# KiCad board panel-artist-27-purple.kicad_pcb
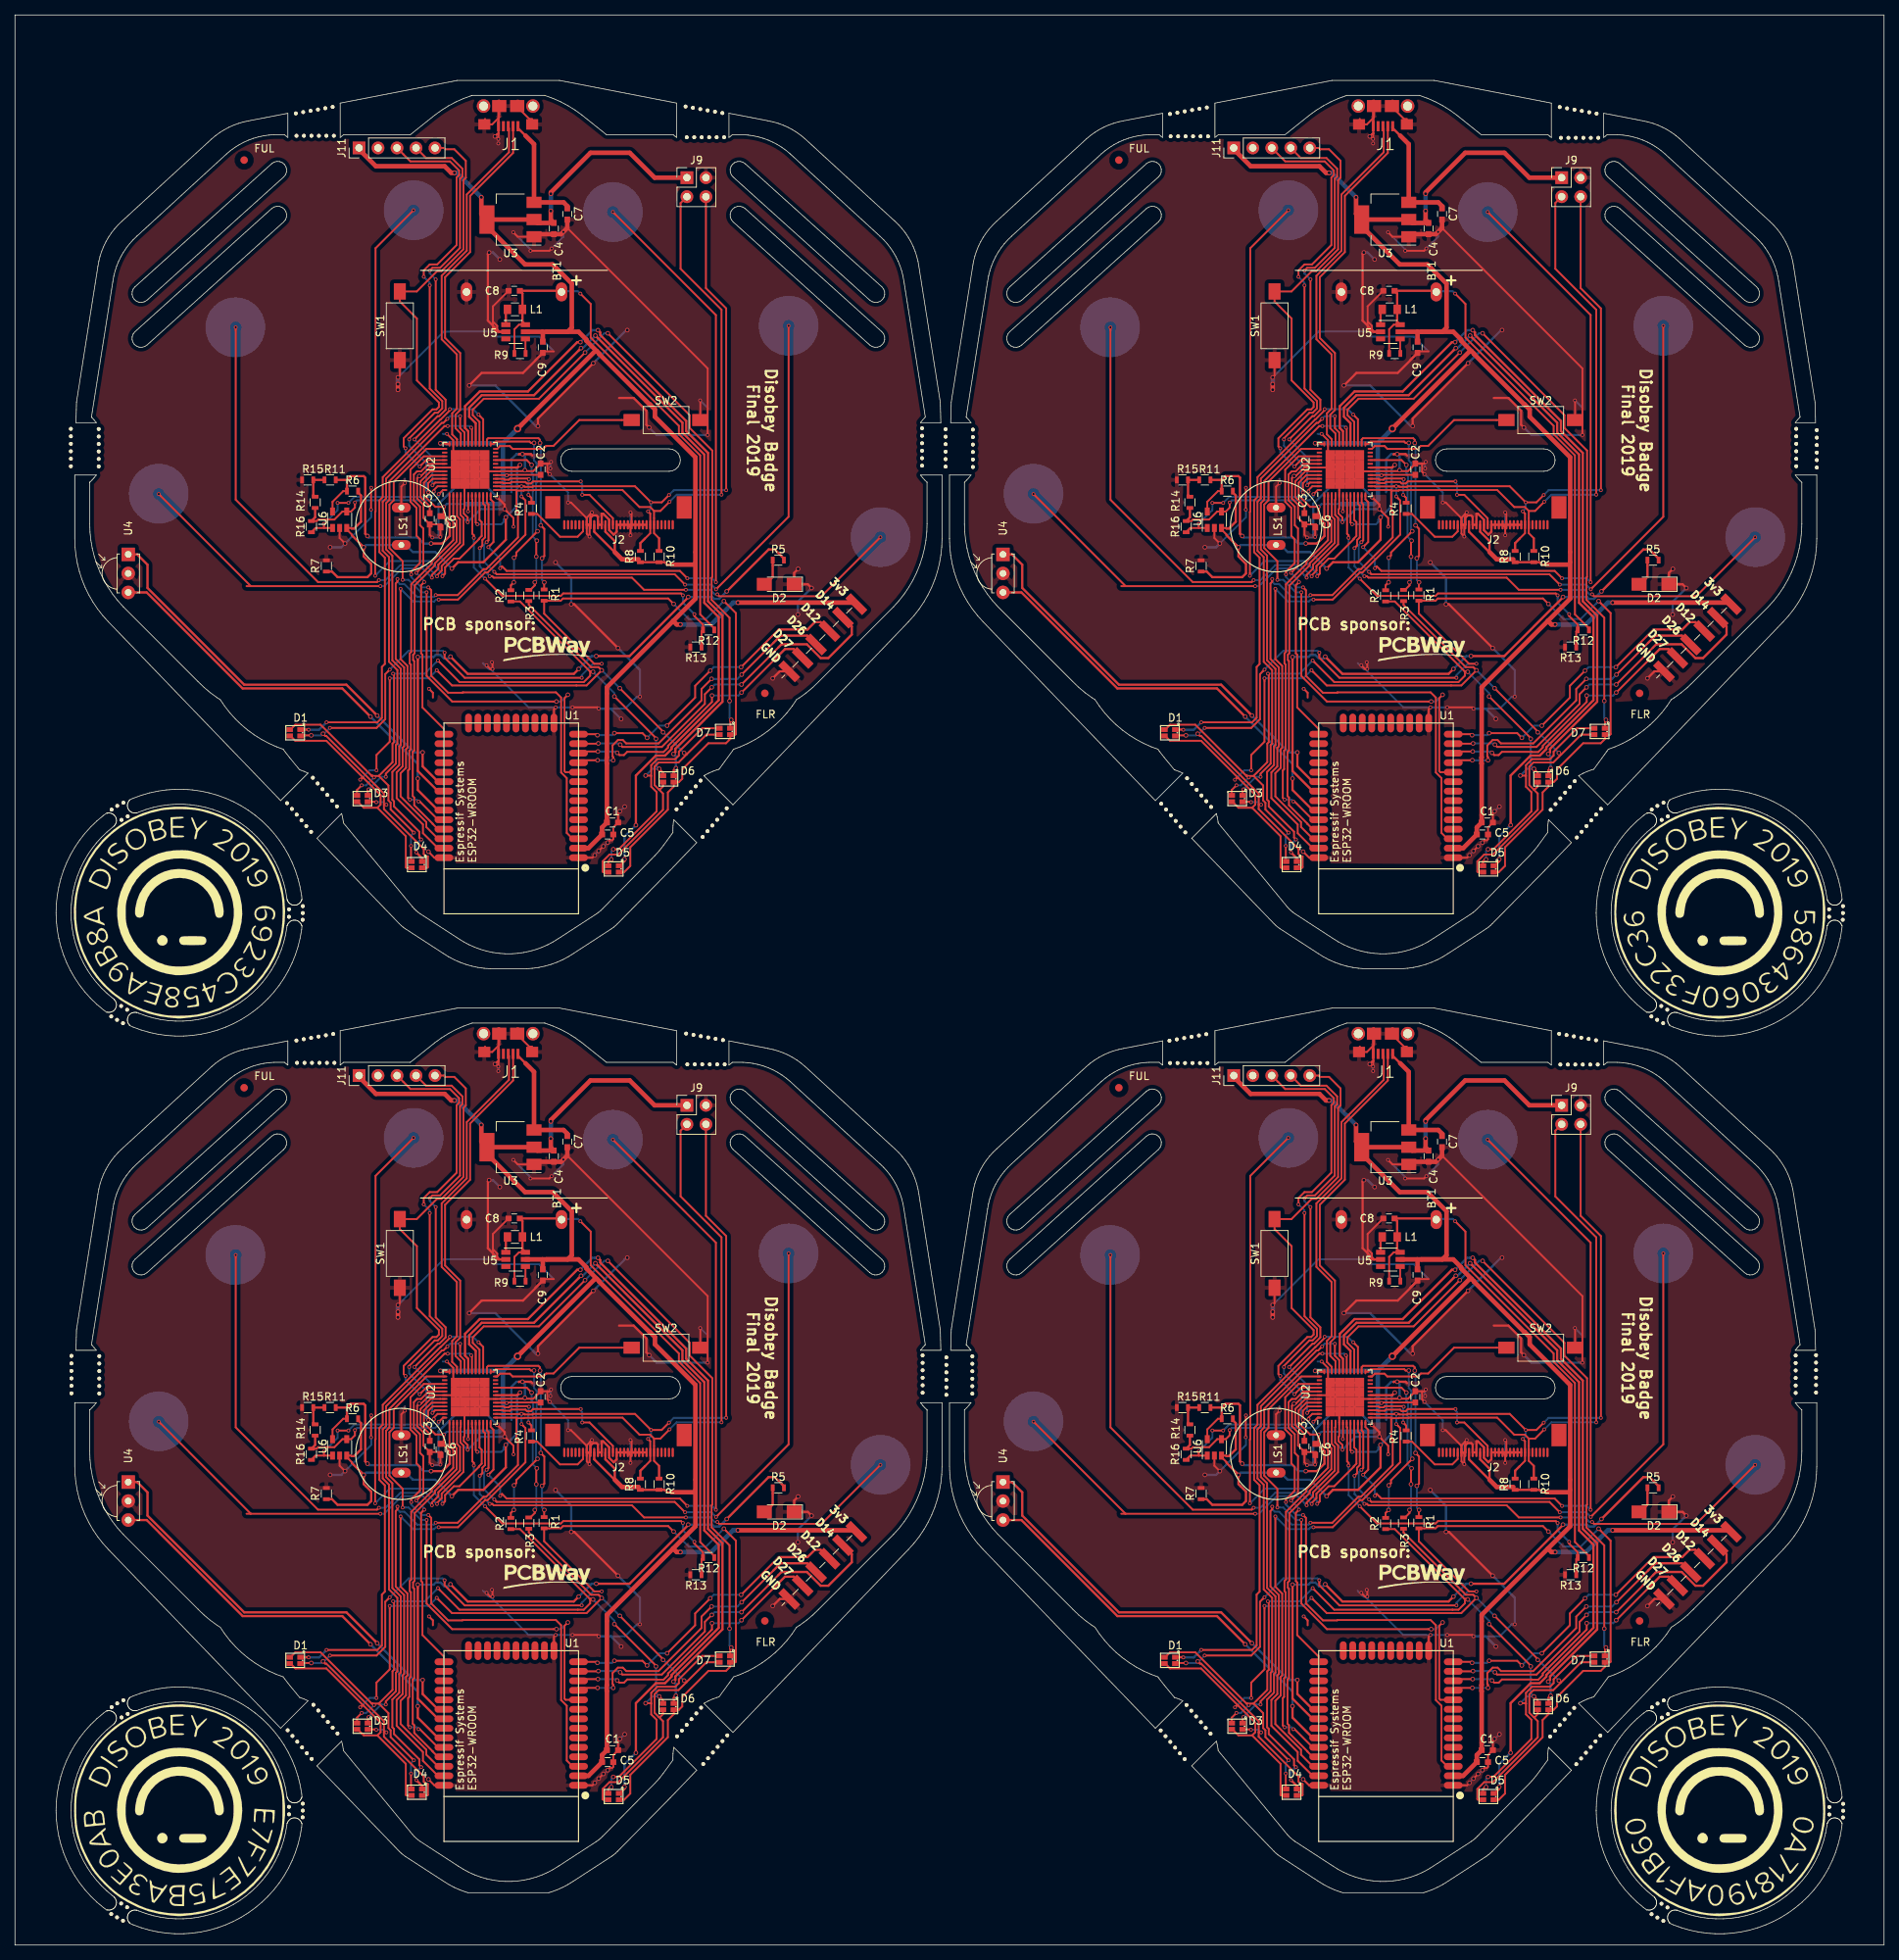
[diagram p0: board, top side]
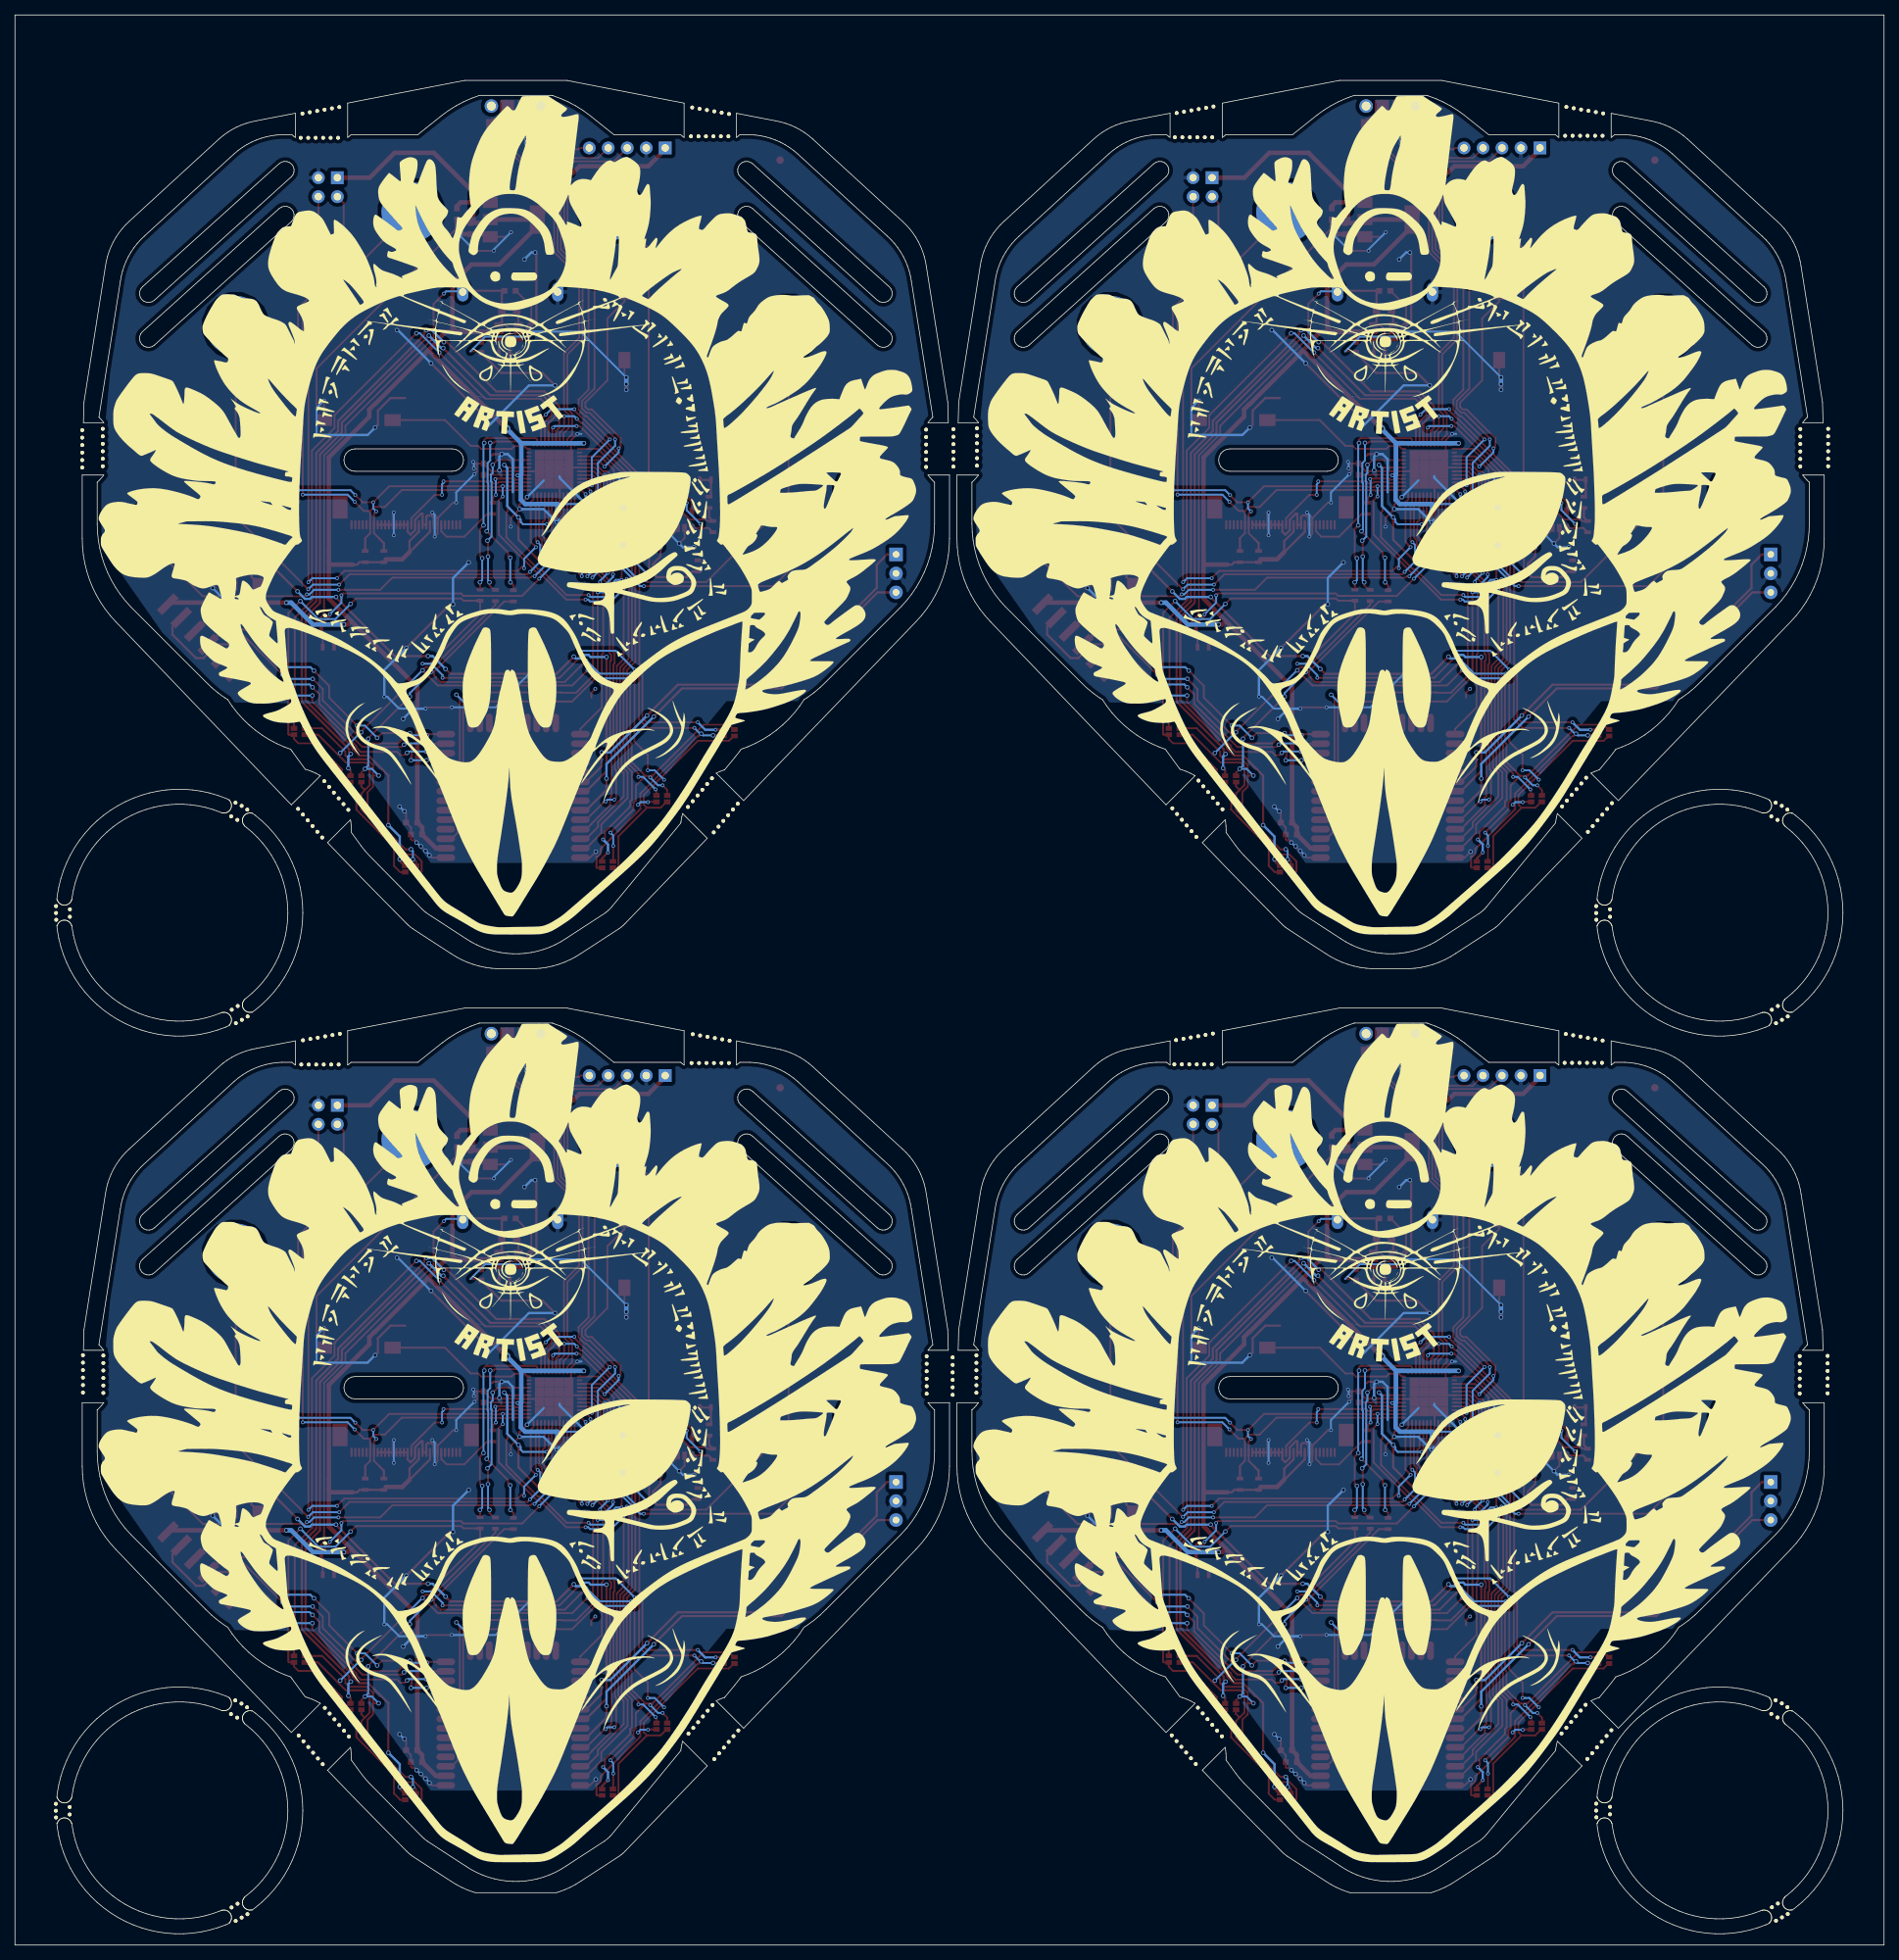
[diagram p1: board, bottom side, seen from below]

Outline 250 x 258 mm; copper layers: Top, Bottom. Coordinates in mm from the lower left corner of the outline.

## Placement (name value [footprint] x y rotation side)
BT1  Battery  [AAAx2holder]  66.75 197.36 90 top
BT1#2  Battery  [AAAx2holder]  183.75 197.36 90 top
BT1#3  Battery  [AAAx2holder]  66.75 73.36 90 top
BT1#4  Battery  [AAAx2holder]  183.75 73.36 90 top
C1  10u  [C_0603]  79.93 150.05 0 top
C1#2  10u  [C_0603]  196.93 150.05 0 top
C1#3  10u  [C_0603]  79.93 26.05 0 top
C1#4  10u  [C_0603]  196.93 26.05 0 top
C2  10u  [C_0603]  70.3 197.28 90 top
C2#2  10u  [C_0603]  187.3 197.28 90 top
C2#3  10u  [C_0603]  70.3 73.27 90 top
C2#4  10u  [C_0603]  187.3 73.27 90 top
C3  10u  [C_0603]  55.48 190.65 270 top
C3#2  10u  [C_0603]  172.48 190.65 270 top
C3#3  10u  [C_0603]  55.48 66.65 270 top
C3#4  10u  [C_0603]  172.48 66.65 270 top
C4  10u  [C_0603]  72.08 229.45 270 top
C4#2  10u  [C_0603]  189.08 229.45 270 top
C4#3  10u  [C_0603]  72.08 105.45 270 top
C4#4  10u  [C_0603]  189.08 105.45 270 top
C5  10u  [C_0603]  79.28 148.45 0 top
C5#2  10u  [C_0603]  196.28 148.45 0 top
C5#3  10u  [C_0603]  79.28 24.45 0 top
C5#4  10u  [C_0603]  196.28 24.45 0 top
C6  10u  [C_0603]  56.93 190.25 270 top
C6#2  10u  [C_0603]  173.93 190.25 270 top
C6#3  10u  [C_0603]  56.93 66.25 270 top
C6#4  10u  [C_0603]  173.93 66.25 270 top
C7  10u  [C_0603]  73.88 231.4 270 top
C7#2  10u  [C_0603]  190.88 231.4 270 top
C7#3  10u  [C_0603]  73.88 107.4 270 top
C7#4  10u  [C_0603]  190.88 107.4 270 top
C8  10u  [C_0603]  66.78 221.12 180 top
C8#2  10u  [C_0603]  183.78 221.12 180 top
C8#3  10u  [C_0603]  66.78 97.12 180 top
C8#4  10u  [C_0603]  183.78 97.12 180 top
C9  10u  [C_0603]  70.6 213.57 270 top
C9#2  10u  [C_0603]  187.6 213.57 270 top
C9#3  10u  [C_0603]  70.6 89.57 270 top
C9#4  10u  [C_0603]  187.6 89.57 270 top
D1  LED_ARGB  [ARGB-0606]  37.48 162.05 0 top
D1#2  LED_ARGB  [ARGB-0606]  154.48 162.05 0 top
D1#3  LED_ARGB  [ARGB-0606]  37.48 38.05 0 top
D1#4  LED_ARGB  [ARGB-0606]  154.48 38.05 0 top
D2  LED_Small_ALT  [LED_1206_HandSoldering]  102.23 181.9 180 top
D2#2  LED_Small_ALT  [LED_1206_HandSoldering]  219.23 181.9 180 top
D2#3  LED_Small_ALT  [LED_1206_HandSoldering]  102.23 57.9 180 top
D2#4  LED_Small_ALT  [LED_1206_HandSoldering]  219.23 57.9 180 top
D3  LED_ARGB  [ARGB-0606]  46.48 153.25 0 top
D3#2  LED_ARGB  [ARGB-0606]  163.48 153.25 0 top
D3#3  LED_ARGB  [ARGB-0606]  46.48 29.25 0 top
D3#4  LED_ARGB  [ARGB-0606]  163.48 29.25 0 top
D4  LED_ARGB  [ARGB-0606]  53.75 144.43 0 top
D4#2  LED_ARGB  [ARGB-0606]  170.75 144.43 0 top
D4#3  LED_ARGB  [ARGB-0606]  53.75 20.42 0 top
D4#4  LED_ARGB  [ARGB-0606]  170.75 20.42 0 top
D5  LED_ARGB  [ARGB-0606]  80.08 143.85 0 top
D5#2  LED_ARGB  [ARGB-0606]  197.08 143.85 0 top
D5#3  LED_ARGB  [ARGB-0606]  80.08 19.85 0 top
D5#4  LED_ARGB  [ARGB-0606]  197.08 19.85 0 top
D6  LED_ARGB  [ARGB-0606]  87.4 155.88 0 top
D6#2  LED_ARGB  [ARGB-0606]  204.4 155.88 0 top
D6#3  LED_ARGB  [ARGB-0606]  87.4 31.88 0 top
D6#4  LED_ARGB  [ARGB-0606]  204.4 31.88 0 top
D7  LED_ARGB  [ARGB-0606]  94.95 162.22 0 top
D7#2  LED_ARGB  [ARGB-0606]  211.95 162.22 0 top
D7#3  LED_ARGB  [ARGB-0606]  94.95 38.22 0 top
D7#4  LED_ARGB  [ARGB-0606]  211.95 38.22 0 top
FLR  -  [Fiducial_1mm_Dia_2.54mm_Outer_CopperTop]  100.3 167.32 0 top
FLR#2  -  [Fiducial_1mm_Dia_2.54mm_Outer_CopperTop]  217.3 167.32 0 top
FLR#3  -  [Fiducial_1mm_Dia_2.54mm_Outer_CopperTop]  100.3 43.32 0 top
FLR#4  -  [Fiducial_1mm_Dia_2.54mm_Outer_CopperTop]  217.3 43.32 0 top
FUL  -  [Fiducial_1mm_Dia_2.54mm_Outer_CopperTop]  30.65 238.6 0 top
FUL#2  -  [Fiducial_1mm_Dia_2.54mm_Outer_CopperTop]  147.65 238.6 0 top
FUL#3  -  [Fiducial_1mm_Dia_2.54mm_Outer_CopperTop]  30.65 114.6 0 top
FUL#4  -  [Fiducial_1mm_Dia_2.54mm_Outer_CopperTop]  147.65 114.6 0 top
G***  -  [LOGO]  71.35 173.15 0 top
G***#2  -  [LOGO]  112.58 196.42 90 top
G***#3  -  [LOGO]  21.95 138.05 0 top
G***#4  -  [LOGO]  227.95 138.05 0 top
G***#5  -  [LOGO]  21.95 18.07 0 top
G***#6  -  [LOGO]  227.98 18.05 0 top
G***#7  -  [LOGO]  229.58 196.42 90 top
G***#8  -  [LOGO]  112.58 72.42 90 top
G***#9  -  [LOGO]  229.58 72.42 90 top
G***#10  -  [LOGO]  188.35 173.15 0 top
G***#11  -  [LOGO]  71.35 49.15 0 top
G***#12  -  [LOGO]  188.35 49.15 0 top
G***#13  LOGO  [coin-10]  21.95 138.07 0 top
G***#14  LOGO  [coin-11]  228.05 138.05 0 top
G***#15  LOGO  [coin-12]  22.03 18.07 0 top
G***#16  LOGO  [coin-13]  227.98 18.07 0 top
G***#17  -  [LOGO]  22 138 0 bottom
G***#18  -  [LOGO]  228 138 0 bottom
G***#19  -  [LOGO]  22 18.03 0 bottom
G***#20  -  [LOGO]  228.03 18 0 bottom
G***#21  LOGO  [artist]  67.15 191.12 180 bottom
G***#22  LOGO  [artist]  184.15 191.12 180 bottom
G***#23  LOGO  [artist]  67.15 67.12 180 bottom
G***#24  LOGO  [artist]  184.15 67.12 180 bottom
J1  USB_OTG  [MICROUSB]  65.98 247.27 180 top
J1#2  USB_OTG  [MICROUSB]  182.98 247.27 180 top
J1#3  USB_OTG  [MICROUSB]  65.98 123.27 180 top
J1#4  USB_OTG  [MICROUSB]  182.98 123.27 180 top
J2  Conn_01x30  [ER-CON30HB-1]  80.73 189.85 180 top
J2#2  Conn_01x30  [ER-CON30HB-1]  197.73 189.85 180 top
J2#3  Conn_01x30  [ER-CON30HB-1]  80.73 65.85 180 top
J2#4  Conn_01x30  [ER-CON30HB-1]  197.73 65.85 180 top
J3  TEST_1P  [Measurement_Point_Round-SMD-Pad_Big]  19.23 194 0 bottom
J3#2  TEST_1P  [Measurement_Point_Round-SMD-Pad_Big]  136.23 194 0 bottom
J3#3  TEST_1P  [Measurement_Point_Round-SMD-Pad_Big]  19.23 70 0 bottom
J3#4  TEST_1P  [Measurement_Point_Round-SMD-Pad_Big]  136.23 70 0 bottom
J4  TEST_1P  [Measurement_Point_Round-SMD-Pad_Big]  29.48 216.25 0 bottom
J4#2  TEST_1P  [Measurement_Point_Round-SMD-Pad_Big]  146.48 216.25 0 bottom
J4#3  TEST_1P  [Measurement_Point_Round-SMD-Pad_Big]  29.48 92.25 0 bottom
J4#4  TEST_1P  [Measurement_Point_Round-SMD-Pad_Big]  146.48 92.25 0 bottom
J5  TEST_1P  [Measurement_Point_Round-SMD-Pad_Big]  53.33 231.9 0 bottom
J5#2  TEST_1P  [Measurement_Point_Round-SMD-Pad_Big]  170.33 231.9 0 bottom
J5#3  TEST_1P  [Measurement_Point_Round-SMD-Pad_Big]  53.33 107.9 0 bottom
J5#4  TEST_1P  [Measurement_Point_Round-SMD-Pad_Big]  170.33 107.9 0 bottom
J6  TEST_1P  [Measurement_Point_Round-SMD-Pad_Big]  115.78 188.2 0 bottom
J6#2  TEST_1P  [Measurement_Point_Round-SMD-Pad_Big]  232.78 188.2 0 bottom
J6#3  TEST_1P  [Measurement_Point_Round-SMD-Pad_Big]  115.78 64.2 0 bottom
J6#4  TEST_1P  [Measurement_Point_Round-SMD-Pad_Big]  232.78 64.2 0 bottom
J7  TEST_1P  [Measurement_Point_Round-SMD-Pad_Big]  103.48 216.45 0 bottom
J7#2  TEST_1P  [Measurement_Point_Round-SMD-Pad_Big]  220.48 216.45 0 bottom
J7#3  TEST_1P  [Measurement_Point_Round-SMD-Pad_Big]  103.48 92.45 0 bottom
J7#4  TEST_1P  [Measurement_Point_Round-SMD-Pad_Big]  220.48 92.45 0 bottom
J8  TEST_1P  [Measurement_Point_Round-SMD-Pad_Big]  79.98 231.65 0 bottom
J8#2  TEST_1P  [Measurement_Point_Round-SMD-Pad_Big]  196.98 231.65 0 bottom
J8#3  TEST_1P  [Measurement_Point_Round-SMD-Pad_Big]  79.98 107.65 0 bottom
J8#4  TEST_1P  [Measurement_Point_Round-SMD-Pad_Big]  196.98 107.65 0 bottom
J9  Conn_02x02_Counter_Clockwise  [Pin_Header_Straight_2x02_Pitch2.54mm]  89.88 236.25 0 top
J9#2  Conn_02x02_Counter_Clockwise  [Pin_Header_Straight_2x02_Pitch2.54mm]  206.88 236.25 0 top
J9#3  Conn_02x02_Counter_Clockwise  [Pin_Header_Straight_2x02_Pitch2.54mm]  89.88 112.25 0 top
J9#4  Conn_02x02_Counter_Clockwise  [Pin_Header_Straight_2x02_Pitch2.54mm]  206.88 112.25 0 top
J10  Conn_01x06  [Pin_Header_Straight_2x06_Pitch2.54mm_SMD]  109.84 172.96 315 top
J10#2  Conn_01x06  [Pin_Header_Straight_2x06_Pitch2.54mm_SMD]  226.84 172.96 315 top
J10#3  Conn_01x06  [Pin_Header_Straight_2x06_Pitch2.54mm_SMD]  109.84 48.96 315 top
J10#4  Conn_01x06  [Pin_Header_Straight_2x06_Pitch2.54mm_SMD]  226.84 48.96 315 top
J11  Conn_01x05  [Pin_Header_Straight_1x05_Pitch2.54mm]  46.02 240.22 90 top
J11#2  Conn_01x05  [Pin_Header_Straight_1x05_Pitch2.54mm]  163.02 240.22 90 top
J11#3  Conn_01x05  [Pin_Header_Straight_1x05_Pitch2.54mm]  46.02 116.22 90 top
J11#4  Conn_01x05  [Pin_Header_Straight_1x05_Pitch2.54mm]  163.02 116.22 90 top
L1  L  [C_0805]  66.88 218.65 180 top
L1#2  L  [C_0805]  183.88 218.65 180 top
L1#3  L  [C_0805]  66.88 94.65 180 top
L1#4  L  [C_0805]  183.88 94.65 180 top
LS1  Speaker_Crystal  [Piezo-PS1240P02BT]  51.68 189.65 90 top
LS1#2  Speaker_Crystal  [Piezo-PS1240P02BT]  168.68 189.65 90 top
LS1#3  Speaker_Crystal  [Piezo-PS1240P02BT]  51.68 65.65 90 top
LS1#4  Speaker_Crystal  [Piezo-PS1240P02BT]  168.68 65.65 90 top
R1  330R  [R_0603]  70.78 180.45 90 top
R1#2  330R  [R_0603]  187.78 180.45 90 top
R1#3  330R  [R_0603]  70.78 56.45 90 top
R1#4  330R  [R_0603]  187.78 56.45 90 top
R2  330R  [R_0603]  66.33 180.35 90 top
R2#2  330R  [R_0603]  183.33 180.35 90 top
R2#3  330R  [R_0603]  66.33 56.35 90 top
R2#4  330R  [R_0603]  183.33 56.35 90 top
R3  330R  [R_0603]  68.73 180.4 90 top
R3#2  330R  [R_0603]  185.73 180.4 90 top
R3#3  330R  [R_0603]  68.73 56.4 90 top
R3#4  330R  [R_0603]  185.73 56.4 90 top
R4  2k  [R_0603]  69.08 192.05 270 top
R4#2  2k  [R_0603]  186.08 192.05 270 top
R4#3  2k  [R_0603]  69.08 68.05 270 top
R4#4  2k  [R_0603]  186.08 68.05 270 top
R5  1k  [R_0603]  102.1 185.12 0 top
R5#2  1k  [R_0603]  219.1 185.12 0 top
R5#3  1k  [R_0603]  102.1 61.12 0 top
R5#4  1k  [R_0603]  219.1 61.12 0 top
R6  100k  [R_0603]  45.15 194.35 0 top
R6#2  100k  [R_0603]  162.15 194.35 0 top
R6#3  100k  [R_0603]  45.15 70.35 0 top
R6#4  100k  [R_0603]  162.15 70.35 0 top
R7  100k  [R_0603]  41.65 184.35 90 top
R7#2  100k  [R_0603]  158.65 184.35 90 top
R7#3  100k  [R_0603]  41.65 60.35 90 top
R7#4  100k  [R_0603]  158.65 60.35 90 top
R8  4.7k  [R_0603]  83.65 185.6 90 top
R8#2  4.7k  [R_0603]  200.65 185.6 90 top
R8#3  4.7k  [R_0603]  83.65 61.6 90 top
R8#4  4.7k  [R_0603]  200.65 61.6 90 top
R9  4.7k  [R_0603]  67.55 212.75 0 top
R9#2  4.7k  [R_0603]  184.55 212.75 0 top
R9#3  4.7k  [R_0603]  67.55 88.75 0 top
R9#4  4.7k  [R_0603]  184.55 88.75 0 top
R10  4.7k  [R_0603]  86.15 185.6 90 top
R10#2  4.7k  [R_0603]  203.15 185.6 90 top
R10#3  4.7k  [R_0603]  86.15 61.6 90 top
R10#4  4.7k  [R_0603]  203.15 61.6 90 top
R11  100k  [R_0603]  42.15 195.85 0 top
R11#2  100k  [R_0603]  159.15 195.85 0 top
R11#3  100k  [R_0603]  42.15 71.85 0 top
R11#4  100k  [R_0603]  159.15 71.85 0 top
R12  100k  [R_0603]  92.78 175.8 180 top
R12#2  100k  [R_0603]  209.78 175.8 180 top
R12#3  100k  [R_0603]  92.78 51.8 180 top
R12#4  100k  [R_0603]  209.78 51.8 180 top
R13  100k  [R_0603]  91.08 173.5 180 top
R13#2  100k  [R_0603]  208.08 173.5 180 top
R13#3  100k  [R_0603]  91.08 49.5 180 top
R13#4  100k  [R_0603]  208.08 49.5 180 top
R14  330R  [R_0603]  40.15 192.85 270 top
R14#2  330R  [R_0603]  157.15 192.85 270 top
R14#3  330R  [R_0603]  40.15 68.85 270 top
R14#4  330R  [R_0603]  157.15 68.85 270 top
R15  100k  [R_0603]  39.15 195.85 0 top
R15#2  100k  [R_0603]  156.15 195.85 0 top
R15#3  100k  [R_0603]  39.15 71.85 0 top
R15#4  100k  [R_0603]  156.15 71.85 0 top
R16  2k  [R_0603]  39.65 189.6 90 top
R16#2  2k  [R_0603]  156.65 189.6 90 top
R16#3  2k  [R_0603]  39.65 65.6 90 top
R16#4  2k  [R_0603]  156.65 65.6 90 top
REF**  mousebite  [MountingHole_2.2mm_M2]  40.49 155.27 40 top
REF**#2  mousebite  [MountingHole_2.2mm_M2]  41.78 153.74 40 top
REF**#3  mousebite  [MountingHole_2.2mm_M2]  39.85 156.04 40 top
REF**#4  mousebite  [MountingHole_2.2mm_M2]  41.13 154.51 40 top
REF**#5  mousebite  [MountingHole_2.2mm_M2]  42.42 152.97 40 top
REF**#6  mousebite  [MountingHole_2.2mm_M2]  43.06 152.21 40 top
REF**#7  mousebite  [MountingHole_2.2mm_M2]  90.85 241.65 90 top
REF**#8  mousebite  [MountingHole_2.2mm_M2]  92.85 241.65 90 top
REF**#9  mousebite  [MountingHole_2.2mm_M2]  94.85 241.65 90 top
REF**#10  mousebite  [MountingHole_2.2mm_M2]  93.85 241.65 90 top
REF**#11  mousebite  [MountingHole_2.2mm_M2]  91.85 241.65 90 top
REF**#12  mousebite  [MountingHole_2.2mm_M2]  89.85 241.65 90 top
REF**#13  mousebite  [MountingHole_2.2mm_M2]  38.65 241.85 90 top
REF**#14  mousebite  [MountingHole_2.2mm_M2]  41.65 241.85 90 top
REF**#15  mousebite  [MountingHole_2.2mm_M2]  37.65 241.85 90 top
REF**#16  mousebite  [MountingHole_2.2mm_M2]  40.65 241.85 90 top
REF**#17  mousebite  [MountingHole_2.2mm_M2]  42.65 241.85 90 top
REF**#18  mousebite  [MountingHole_2.2mm_M2]  39.65 241.85 90 top
REF**#19  mousebite  [MountingHole_2.2mm_M2]  90.68 245.59 80 top
REF**#20  mousebite  [MountingHole_2.2mm_M2]  92.65 245.24 80 top
REF**#21  mousebite  [MountingHole_2.2mm_M2]  94.62 244.89 80 top
REF**#22  mousebite  [MountingHole_2.2mm_M2]  93.64 245.07 80 top
REF**#23  mousebite  [MountingHole_2.2mm_M2]  91.67 245.41 80 top
REF**#24  mousebite  [MountingHole_2.2mm_M2]  89.7 245.76 80 top
REF**#25  mousebite  [MountingHole_2.2mm_M2]  38.55 245.01 100 top
REF**#26  mousebite  [MountingHole_2.2mm_M2]  41.51 245.53 100 top
REF**#27  mousebite  [MountingHole_2.2mm_M2]  37.57 244.84 100 top
REF**#28  mousebite  [MountingHole_2.2mm_M2]  40.52 245.36 100 top
REF**#29  mousebite  [MountingHole_2.2mm_M2]  42.49 245.71 100 top
REF**#30  mousebite  [MountingHole_2.2mm_M2]  39.54 245.19 100 top
REF**#31  mousebite  [MountingHole_2.2mm_M2]  11.2 201.65 180 top
REF**#32  mousebite  [MountingHole_2.2mm_M2]  11.2 198.65 180 top
REF**#33  mousebite  [MountingHole_2.2mm_M2]  11.2 199.65 180 top
REF**#34  mousebite  [MountingHole_2.2mm_M2]  11.2 202.65 180 top
REF**#35  mousebite  [MountingHole_2.2mm_M2]  11.2 200.65 180 top
REF**#36  mousebite  [MountingHole_2.2mm_M2]  11.2 197.65 180 top
REF**#37  mousebite  [MountingHole_2.2mm_M2]  7.48 201.67 180 top
REF**#38  mousebite  [MountingHole_2.2mm_M2]  7.48 198.67 180 top
REF**#39  mousebite  [MountingHole_2.2mm_M2]  7.48 199.67 180 top
REF**#40  mousebite  [MountingHole_2.2mm_M2]  7.48 202.67 180 top
REF**#41  mousebite  [MountingHole_2.2mm_M2]  7.48 200.67 180 top
REF**#42  mousebite  [MountingHole_2.2mm_M2]  7.48 197.67 180 top
REF**#43  mousebite  [MountingHole_2.2mm_M2]  121.33 202.75 180 top
REF**#44  mousebite  [MountingHole_2.2mm_M2]  121.33 201.75 180 top
REF**#45  mousebite  [MountingHole_2.2mm_M2]  121.33 199.75 180 top
REF**#46  mousebite  [MountingHole_2.2mm_M2]  121.33 198.75 180 top
REF**#47  mousebite  [MountingHole_2.2mm_M2]  121.33 200.75 180 top
REF**#48  mousebite  [MountingHole_2.2mm_M2]  121.33 197.75 180 top
REF**#49  mousebite  [MountingHole_2.2mm_M2]  39.61 148.81 40 top
REF**#50  mousebite  [MountingHole_2.2mm_M2]  37.04 151.87 40 top
REF**#51  mousebite  [MountingHole_2.2mm_M2]  36.4 152.64 40 top
REF**#52  mousebite  [MountingHole_2.2mm_M2]  38.33 150.34 40 top
REF**#53  mousebite  [MountingHole_2.2mm_M2]  38.97 149.57 40 top
REF**#54  mousebite  [MountingHole_2.2mm_M2]  37.68 151.11 40 top
REF**#55  mousebite  [MountingHole_2.2mm_M2]  124.48 198.62 180 top
REF**#56  mousebite  [MountingHole_2.2mm_M2]  124.48 197.62 180 top
REF**#57  mousebite  [MountingHole_2.2mm_M2]  128.13 198.57 180 top
REF**#58  mousebite  [MountingHole_2.2mm_M2]  128.13 199.57 180 top
REF**#59  mousebite  [MountingHole_2.2mm_M2]  128.13 197.57 180 top
REF**#60  mousebite  [MountingHole_2.2mm_M2]  124.48 199.62 180 top
REF**#61  mousebite  [MountingHole_2.2mm_M2]  124.48 201.62 180 top
REF**#62  mousebite  [MountingHole_2.2mm_M2]  124.48 202.62 180 top
REF**#63  mousebite  [MountingHole_2.2mm_M2]  128.13 201.57 180 top
REF**#64  mousebite  [MountingHole_2.2mm_M2]  124.48 200.62 180 top
REF**#65  mousebite  [MountingHole_2.2mm_M2]  128.13 200.57 180 top
REF**#66  mousebite  [MountingHole_2.2mm_M2]  128.13 202.57 180 top
REF**#67  mousebite  [MountingHole_2.2mm_M2]  153.32 152.56 40 top
REF**#68  mousebite  [MountingHole_2.2mm_M2]  153.97 151.8 40 top
REF**#69  mousebite  [MountingHole_2.2mm_M2]  155.25 150.26 40 top
REF**#70  mousebite  [MountingHole_2.2mm_M2]  155.89 149.5 40 top
REF**#71  mousebite  [MountingHole_2.2mm_M2]  154.61 151.03 40 top
REF**#72  mousebite  [MountingHole_2.2mm_M2]  156.54 148.73 40 top
REF**#73  mousebite  [MountingHole_2.2mm_M2]  159.34 152.9 40 top
REF**#74  mousebite  [MountingHole_2.2mm_M2]  159.99 152.13 40 top
REF**#75  mousebite  [MountingHole_2.2mm_M2]  158.7 153.66 40 top
REF**#76  mousebite  [MountingHole_2.2mm_M2]  157.42 155.2 40 top
REF**#77  mousebite  [MountingHole_2.2mm_M2]  158.06 154.43 40 top
REF**#78  mousebite  [MountingHole_2.2mm_M2]  156.77 155.96 40 top
REF**#79  mousebite  [MountingHole_2.2mm_M2]  155.58 241.77 90 top
REF**#80  mousebite  [MountingHole_2.2mm_M2]  157.58 241.77 90 top
REF**#81  mousebite  [MountingHole_2.2mm_M2]  159.58 241.77 90 top
REF**#82  mousebite  [MountingHole_2.2mm_M2]  158.58 241.77 90 top
REF**#83  mousebite  [MountingHole_2.2mm_M2]  156.58 241.77 90 top
REF**#84  mousebite  [MountingHole_2.2mm_M2]  209.58 245.17 80 top
REF**#85  mousebite  [MountingHole_2.2mm_M2]  207.61 245.51 80 top
REF**#86  mousebite  [MountingHole_2.2mm_M2]  211.55 244.82 80 top
REF**#87  mousebite  [MountingHole_2.2mm_M2]  208.59 245.34 80 top
REF**#88  mousebite  [MountingHole_2.2mm_M2]  206.62 245.69 80 top
REF**#89  mousebite  [MountingHole_2.2mm_M2]  210.56 244.99 80 top
REF**#90  mousebite  [MountingHole_2.2mm_M2]  209.78 241.57 90 top
REF**#91  mousebite  [MountingHole_2.2mm_M2]  238.25 202.67 180 top
REF**#92  mousebite  [MountingHole_2.2mm_M2]  206.78 241.57 90 top
REF**#93  mousebite  [MountingHole_2.2mm_M2]  208.78 241.57 90 top
REF**#94  mousebite  [MountingHole_2.2mm_M2]  207.78 241.57 90 top
REF**#95  mousebite  [MountingHole_2.2mm_M2]  211.78 241.57 90 top
REF**#96  mousebite  [MountingHole_2.2mm_M2]  210.78 241.57 90 top
REF**#97  mousebite  [MountingHole_2.2mm_M2]  154.58 241.77 90 top
REF**#98  mousebite  [MountingHole_2.2mm_M2]  154.49 244.76 100 top
REF**#99  mousebite  [MountingHole_2.2mm_M2]  156.46 245.11 100 top
REF**#100  mousebite  [MountingHole_2.2mm_M2]  158.43 245.46 100 top
REF**#101  mousebite  [MountingHole_2.2mm_M2]  159.42 245.63 100 top
REF**#102  mousebite  [MountingHole_2.2mm_M2]  157.45 245.28 100 top
REF**#103  mousebite  [MountingHole_2.2mm_M2]  155.48 244.94 100 top
REF**#104  mousebite  [MountingHole_2.2mm_M2]  238.25 201.67 180 top
REF**#105  mousebite  [MountingHole_2.2mm_M2]  238.25 200.67 180 top
REF**#106  mousebite  [MountingHole_2.2mm_M2]  238.25 199.67 180 top
REF**#107  mousebite  [MountingHole_2.2mm_M2]  238.25 197.67 180 top
REF**#108  mousebite  [MountingHole_2.2mm_M2]  238.25 198.67 180 top
REF**#109  mousebite  [MountingHole_2.2mm_M2]  89.93 117.72 90 top
REF**#110  mousebite  [MountingHole_2.2mm_M2]  94.93 117.72 90 top
REF**#111  mousebite  [MountingHole_2.2mm_M2]  92.93 117.72 90 top
REF**#112  mousebite  [MountingHole_2.2mm_M2]  93.93 117.72 90 top
REF**#113  mousebite  [MountingHole_2.2mm_M2]  91.93 117.72 90 top
REF**#114  mousebite  [MountingHole_2.2mm_M2]  90.93 117.72 90 top
REF**#115  mousebite  [MountingHole_2.2mm_M2]  40.6 121.43 100 top
REF**#116  mousebite  [MountingHole_2.2mm_M2]  41.58 121.61 100 top
REF**#117  mousebite  [MountingHole_2.2mm_M2]  37.64 120.91 100 top
REF**#118  mousebite  [MountingHole_2.2mm_M2]  39.61 121.26 100 top
REF**#119  mousebite  [MountingHole_2.2mm_M2]  42.57 121.78 100 top
REF**#120  mousebite  [MountingHole_2.2mm_M2]  38.63 121.09 100 top
REF**#121  mousebite  [MountingHole_2.2mm_M2]  121.4 74.82 180 top
REF**#122  mousebite  [MountingHole_2.2mm_M2]  121.4 75.82 180 top
REF**#123  mousebite  [MountingHole_2.2mm_M2]  121.4 73.82 180 top
REF**#124  mousebite  [MountingHole_2.2mm_M2]  121.4 78.82 180 top
REF**#125  mousebite  [MountingHole_2.2mm_M2]  121.4 76.82 180 top
REF**#126  mousebite  [MountingHole_2.2mm_M2]  121.4 77.82 180 top
REF**#127  mousebite  [MountingHole_2.2mm_M2]  41.73 117.92 90 top
REF**#128  mousebite  [MountingHole_2.2mm_M2]  37.73 117.92 90 top
REF**#129  mousebite  [MountingHole_2.2mm_M2]  38.73 117.92 90 top
REF**#130  mousebite  [MountingHole_2.2mm_M2]  39.73 117.92 90 top
REF**#131  mousebite  [MountingHole_2.2mm_M2]  42.73 117.92 90 top
REF**#132  mousebite  [MountingHole_2.2mm_M2]  40.73 117.92 90 top
REF**#133  mousebite  [MountingHole_2.2mm_M2]  94.7 120.97 80 top
REF**#134  mousebite  [MountingHole_2.2mm_M2]  92.73 121.32 80 top
REF**#135  mousebite  [MountingHole_2.2mm_M2]  89.77 121.84 80 top
REF**#136  mousebite  [MountingHole_2.2mm_M2]  91.74 121.49 80 top
REF**#137  mousebite  [MountingHole_2.2mm_M2]  93.71 121.14 80 top
REF**#138  mousebite  [MountingHole_2.2mm_M2]  90.76 121.66 80 top
REF**#139  mousebite  [MountingHole_2.2mm_M2]  43.14 28.28 40 top
REF**#140  mousebite  [MountingHole_2.2mm_M2]  39.92 32.11 40 top
REF**#141  mousebite  [MountingHole_2.2mm_M2]  41.21 30.58 40 top
REF**#142  mousebite  [MountingHole_2.2mm_M2]  41.85 29.81 40 top
REF**#143  mousebite  [MountingHole_2.2mm_M2]  42.49 29.05 40 top
REF**#144  mousebite  [MountingHole_2.2mm_M2]  40.57 31.35 40 top
REF**#145  mousebite  [MountingHole_2.2mm_M2]  7.55 73.75 180 top
REF**#146  mousebite  [MountingHole_2.2mm_M2]  7.55 74.75 180 top